# Allegro board 8880F5-0823_1_redwan.brd (continued)
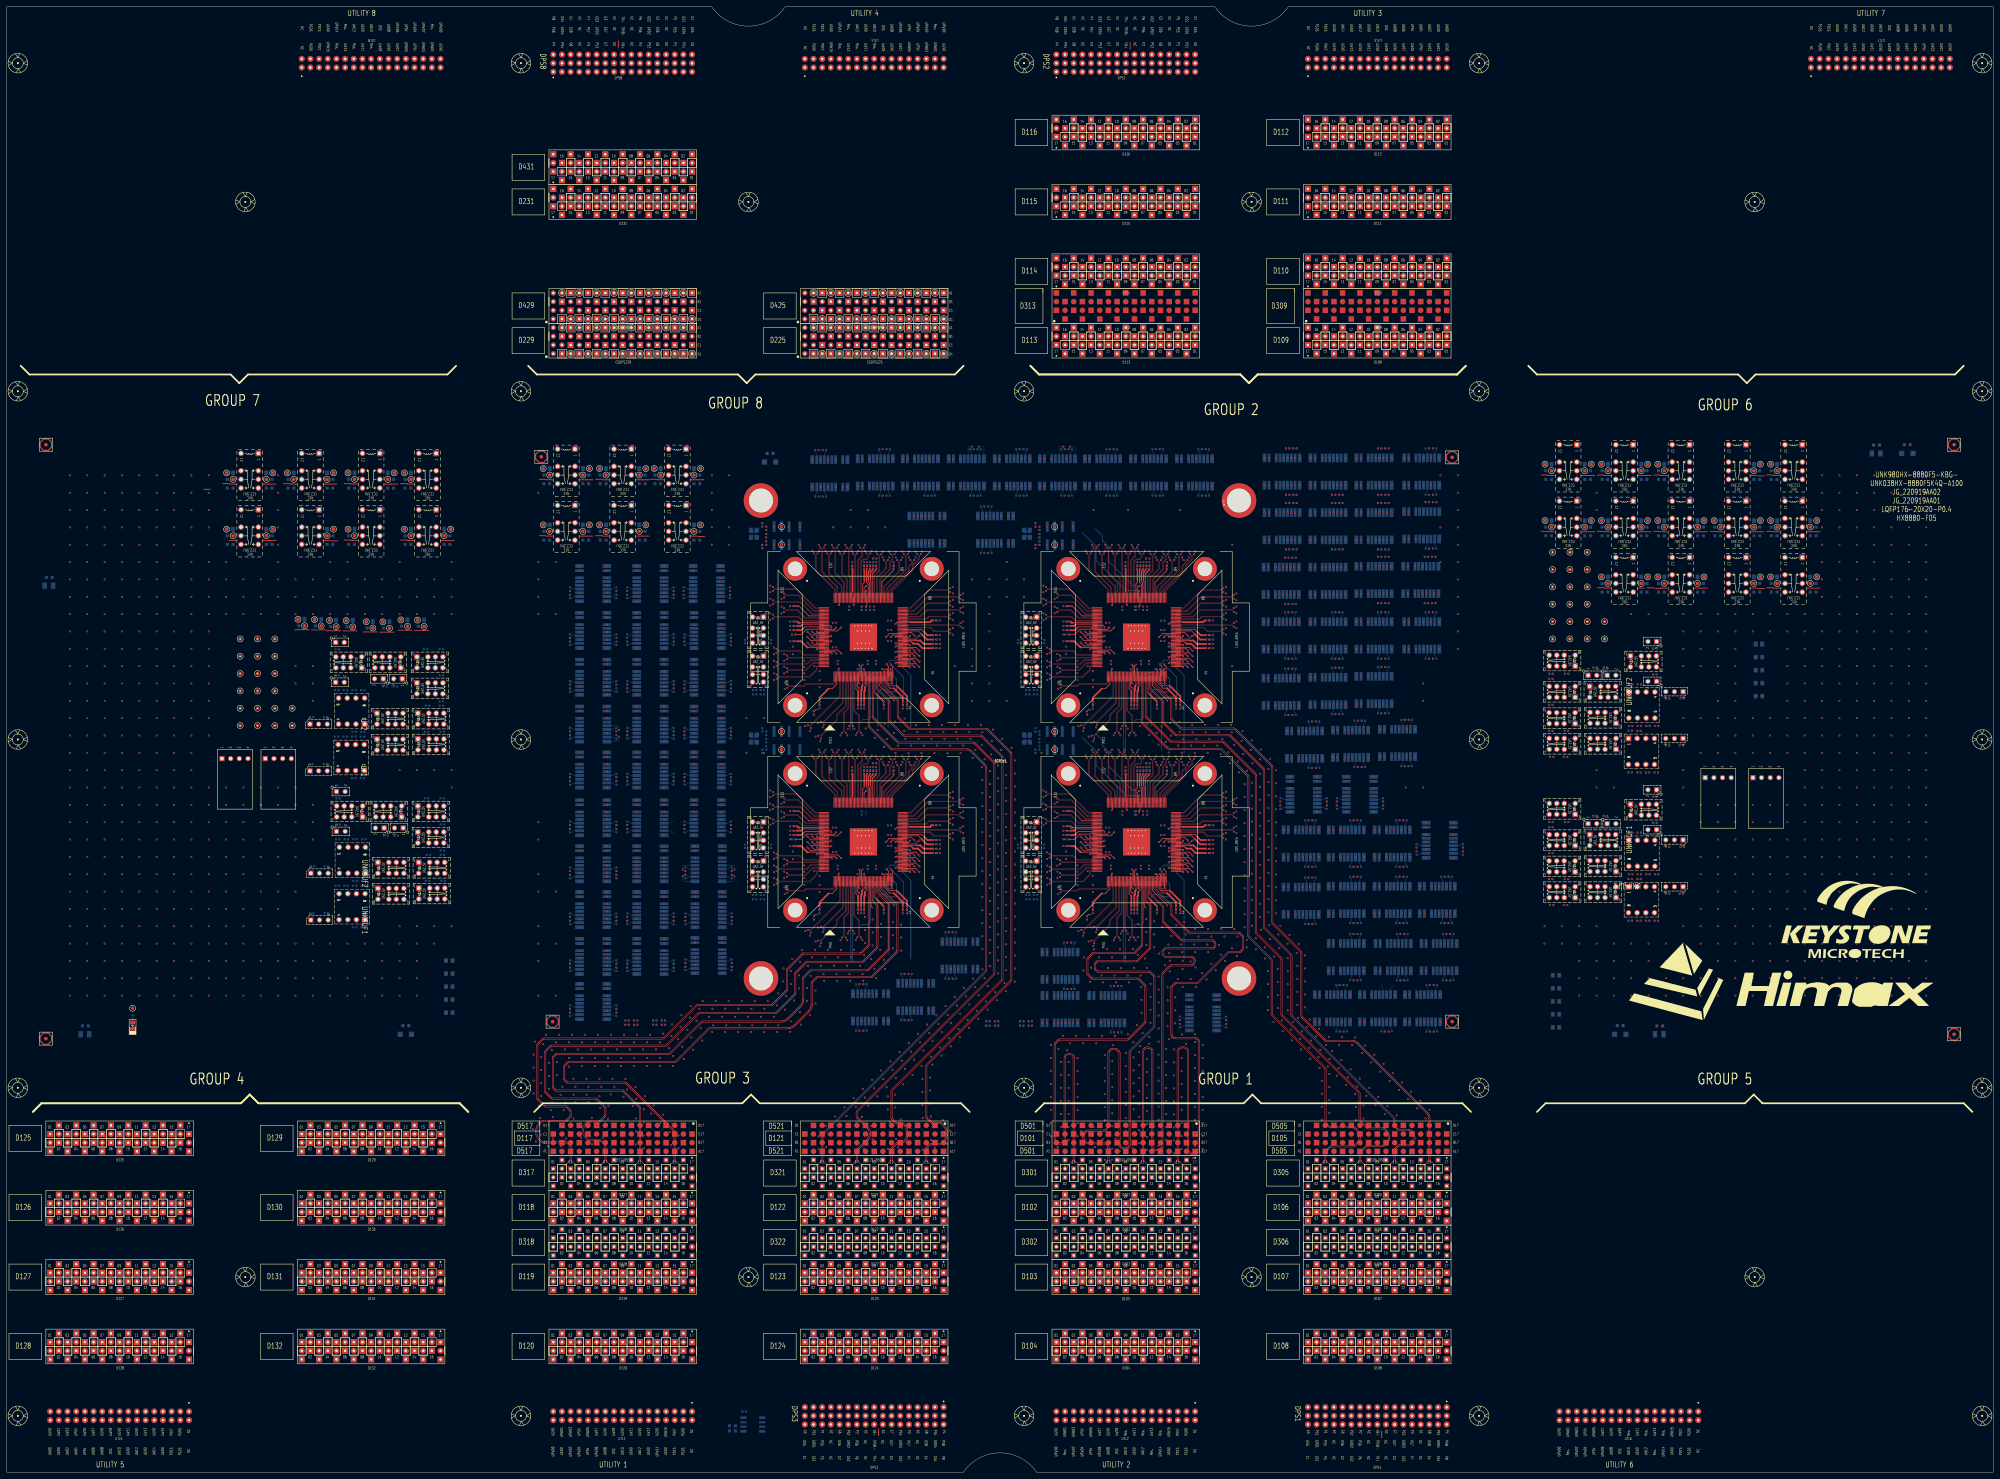
[diagram p0: board, top side]
## Placement (name value [footprint] x y rotation side) (continued)
R28  49.9-1-S4  [R0402]  338.09 299.66 180 bottom
R29  49.9-1-S4  [R0402]  335.94 286.07 180 bottom
R30  49.9-1-S4  [R0402]  338.09 286.07 180 bottom
R31  49.9-1-S4  [R0402]  322.48 299.66 180 bottom
R32  49.9-1-S4  [R0402]  324.62 299.66 180 bottom
R33  49.9-1-S4  [R0402]  322.48 286.07 180 bottom
R34  49.9-1-S4  [R0402]  324.62 286.07 180 bottom
R37  49.9-1-S4  [R0402]  269.14 286.07 180 bottom
R38  49.9-1-S4  [R0402]  271.28 286.07 180 bottom
R39  49.9-1-S4  [R0402]  287.88 269.3 0 bottom
R40  49.9-1-S4  [R0402]  285.74 269.3 0 bottom
R41  49.9-1-S4  [R0402]  287.88 282.89 0 bottom
R42  49.9-1-S4  [R0402]  285.74 282.89 0 bottom
R43  49.9-1-S4  [R0402]  164.91 258.67 90 bottom
R44  49.9-1-S4  [R0402]  164.91 256.53 90 bottom
R45  49.9-1-S4  [R0402]  198.44 244.96 90 bottom
R46  49.9-1-S4  [R0402]  198.44 242.81 90 bottom
R47  49.9-1-S4  [R0402]  195.26 231.24 90 bottom
R48  49.9-1-S4  [R0402]  195.26 229.1 90 bottom
R49  49.9-1-S4  [R0402]  181.67 231.24 90 bottom
R50  49.9-1-S4  [R0402]  181.67 229.1 90 bottom
R51  49.9-1-S4  [R0402]  178.5 231.24 90 bottom
R52  49.9-1-S4  [R0402]  178.5 229.1 90 bottom
R53  49.9-1-S4  [R0402]  164.91 231.24 90 bottom
R54  49.9-1-S4  [R0402]  164.91 229.1 90 bottom
R55  49.9-1-S4  [R0402]  211.77 258.67 90 bottom
R56  49.9-1-S4  [R0402]  211.77 256.53 90 bottom
R57  49.9-1-S4  [R0402]  198.18 258.67 90 bottom
R58  49.9-1-S4  [R0402]  198.18 256.53 90 bottom
R59  49.9-1-S4  [R0402]  195.26 244.96 90 bottom
R60  49.9-1-S4  [R0402]  195.26 242.81 90 bottom
R61  49.9-1-S4  [R0402]  181.67 244.96 90 bottom
R62  49.9-1-S4  [R0402]  181.67 242.81 90 bottom
R63  49.9-1-S4  [R0402]  195.26 258.67 90 bottom
R64  49.9-1-S4  [R0402]  195.26 256.53 90 bottom
R65  49.9-1-S4  [R0402]  164.91 244.96 90 bottom
R66  49.9-1-S4  [R0402]  164.91 242.81 90 bottom
R67  49.9-1-S4  [R0402]  239.37 285.81 0 bottom
R68  49.9-1-S4  [R0402]  237.22 285.81 0 bottom
R69  49.9-1-S4  [R0402]  239.37 299.4 0 bottom
R70  49.9-1-S4  [R0402]  237.22 299.4 0 bottom
R71  49.9-1-S4  [R0402]  255.93 299.66 180 bottom
R72  49.9-1-S4  [R0402]  258.08 299.66 180 bottom
R73  49.9-1-S4  [R0402]  255.93 286.07 180 bottom
R74  49.9-1-S4  [R0402]  258.08 286.07 180 bottom
R75  49.9-1-S4  [R0402]  282.6 299.66 180 bottom
R76  49.9-1-S4  [R0402]  284.75 299.66 180 bottom
R77  49.9-1-S4  [R0402]  282.6 286.07 180 bottom
R78  49.9-1-S4  [R0402]  284.75 286.07 180 bottom
R79  49.9-1-S4  [R0402]  178.5 258.67 90 bottom
R80  49.9-1-S4  [R0402]  178.5 256.53 90 bottom
R82  4.7K-1-S4-WA  [R0402]  122.62 241.1 180 bottom
R83  4.7K-1-S4-WA  [R0402]  96.77 233.43 180 bottom
R84  4.7K-1-S4-WA  [R0402]  96.77 241.05 180 bottom
R85  100K-1-S4  [R0402]  113.79 230.12 180 bottom
R86  4.7K-1-S4-WA  [R0402]  93.33 207.46 180 bottom
R87  4.7K-1-S4-WA  [R0402]  104.14 203.31 180 bottom
R88  4.7K-1-S4-WA  [R0402]  101.6 203.31 180 bottom
R89  4.7K-1-S4-WA  [R0402]  89.03 207.41 0 bottom
R90  4.7K-1-S4-WA  [R0402]  101.6 215.5 180 bottom
R91  4.7K-1-S4-WA  [R0402]  99.06 215.5 180 bottom
R92  4.7K-1-S4-WA  [R0402]  96.52 215.5 180 bottom
R93  4.7K-1-S4-WA  [R0402]  93.33 221.18 180 bottom
R94  4.7K-1-S4-WA  [R0402]  104.25 216.86 0 bottom
R95  4.7K-1-S4-WA  [R0402]  101.7 216.91 180 bottom
R96  4.7K-1-S4-WA  [R0402]  89.27 221.18 0 bottom
R97  4.7K-1-S4-WA  [R0402]  101.7 229.1 180 bottom
R98  4.7K-1-S4-WA  [R0402]  99.16 229.1 180 bottom
R99  4.7K-1-S4-WA  [R0402]  96.62 229.1 180 bottom
R100  49.9-1-S4  [R0402]  181.67 258.67 90 bottom
R101  49.9-1-S4  [R0402]  181.67 256.53 90 bottom
R102  49.9-1-S4  [R0402]  212.03 244.96 90 bottom
R103  49.9-1-S4  [R0402]  212.03 242.81 90 bottom
R104  49.9-1-S4  [R0402]  178.5 244.96 90 bottom
R105  49.9-1-S4  [R0402]  178.5 242.81 90 bottom
R117  1K-1-S4  [R0402]  127.2 241.1 180 bottom
R118  NC/0-5-S4  [R0402]  230.41 245.39 180 bottom
R119  4.7K-1-S4-WA  [R0402]  127.25 233.43 0 bottom
R120  4.7K-1-S4-WA  [R0402]  127.25 225.81 0 bottom
R125  0-5-S4  [R0402]  123.19 224.54 180 bottom
R126  0-5-S4  [R0402]  127.25 224.54 180 bottom
R127  0-5-S4  [R0402]  122.94 216.92 180 bottom
R128  0-5-S4  [R0402]  127.51 216.92 180 bottom
R129  0-5-S4  [R0402]  221.23 229.11 180 bottom
R130  0-5-S4  [R0402]  218.95 229.11 0 bottom
R131  50-0.1-S4-HF-VI  [R0402]  223.77 243.33 90 bottom
R132  50-0.1-S4-HF-VI  [R0402]  216.15 243.33 90 bottom
R133  0-5-S4  [R0402]  222.38 276.48 90 bottom
RB1  10K-1-S6  [R0603]  212.47 13.59 0 bottom
RB2  10K-1-S6  [R0603]  212.47 12.06 0 bottom
S1_I2C  HDR-4X1-MR-A  [JP_4P_100_R90_V1]  62.99 209.04 270 top
S1_RST_N  HDR-2X1-M  [JP_2P_100]  115.82 232.41 270 bottom
S2_I2C  HDR-4X1-MR-A  [JP_4P_100_R90_V1]  497.33 203.45 270 top
S2_RST_N  HDR-2X1-M  [JP_2P_100]  463.04 233.43 90 bottom
S3_I2C  HDR-4X1-MR-A  [JP_4P_100_R90_V1]  75.69 209.04 270 top
S3_RST_N  HDR-2X1-M  [JP_2P_100]  116.08 188.72 270 bottom
S4_I2C  HDR-4X1-MR-A  [JP_4P_100_R90_V1]  511.3 203.45 270 top
S4_RST_N  HDR-2X1-M  [JP_2P_100]  463.04 189.99 90 bottom
SB1  SHORT  [DEFAULT_SHORT_SMALL]  402.59 11.04 90 top
SB2  SHORT  [DEFAULT_SHORT_SMALL]  328.93 417.83 270 top
SB3  SHORT  [DEFAULT_SHORT_SMALL]  255.27 11.71 90 top
SB8  SHORT  [DEFAULT_SHORT_SMALL]  179.07 418.32 270 top
SCREW1  V93KMFHOLE  [PG_VG93K_F_FULLOUTLINE]  290.83 214.63 0 top
SH1  SHORT  [DEFAULT_SHORT_SMALL]  185.19 290.72 0 top
SH2  SHORT  [DEFAULT_SHORT_SMALL]  187.14 290.72 0 top
SH3  SHORT  [DEFAULT_SHORT_SMALL]  175.35 290.72 0 top
SH4  SHORT  [DEFAULT_SHORT_SMALL]  173.4 290.85 180 top
SH5  SHORT  [DEFAULT_SHORT_SMALL]  118.2 289.45 0 top
SH6  SHORT  [DEFAULT_SHORT_SMALL]  116.25 289.58 180 top
SH7  SHORT  [DEFAULT_SHORT_SMALL]  168.68 290.72 0 top
SH8  SHORT  [DEFAULT_SHORT_SMALL]  156.89 290.85 180 top
SH9  SHORT  [DEFAULT_SHORT_SMALL]  170.63 290.72 0 top
SH10  SHORT  [DEFAULT_SHORT_SMALL]  158.84 290.72 0 top
SH11  SHORT  [DEFAULT_SHORT_SMALL]  173.4 274.34 180 top
SH12  SHORT  [DEFAULT_SHORT_SMALL]  185.19 274.21 0 top
SH13  SHORT  [DEFAULT_SHORT_SMALL]  203.14 290.72 0 top
SH14  SHORT  [DEFAULT_SHORT_SMALL]  201.19 290.72 0 top
SH15  SHORT  [DEFAULT_SHORT_SMALL]  189.4 290.85 180 top
SH16  SHORT  [DEFAULT_SHORT_SMALL]  191.35 290.72 0 top
SH17  SHORT  [DEFAULT_SHORT_SMALL]  156.89 274.34 180 top
SH18  SHORT  [DEFAULT_SHORT_SMALL]  168.68 274.21 0 top
SH19  SHORT  [DEFAULT_SHORT_SMALL]  99.42 246.45 0 top
SH20  SHORT  [DEFAULT_SHORT_SMALL]  101.62 246.45 0 top
SH21  SHORT  [DEFAULT_SHORT_SMALL]  94.56 246.5 0 top
SH22  SHORT  [DEFAULT_SHORT_SMALL]  96.76 246.5 0 top
SH23  SHORT  [DEFAULT_SHORT_SMALL]  201.19 274.21 0 top
SH24  SHORT  [DEFAULT_SHORT_SMALL]  203.37 274.08 180 top
SH25  SHORT  [DEFAULT_SHORT_SMALL]  175.35 274.21 0 top
SH26  SHORT  [DEFAULT_SHORT_SMALL]  187.14 274.21 0 top
SH27  SHORT  [DEFAULT_SHORT_SMALL]  158.84 274.21 0 top
SH28  SHORT  [DEFAULT_SHORT_SMALL]  170.63 274.21 0 top
SITE1  CU/HX8880-F05-LQFP176-20X20  [SK_LQFP176P_0P4MM_JG_HX8880]  250.83 244.63 90 top
SITE2  CU/HX8880-F05-LQFP176-20X20  [SK_LQFP176P_0P4MM_JG_HX8880]  330.83 244.63 90 top
SITE3  CU/HX8880-F05-LQFP176-20X20  [SK_LQFP176P_0P4MM_JG_HX8880]  250.83 184.63 90 top
SITE4  CU/HX8880-F05-LQFP176-20X20  [SK_LQFP176P_0P4MM_JG_HX8880]  330.83 184.63 90 top
SKB  Socket_Base_M5_140x140  [SOCKET_BASE_140X140_565100]  290.83 214.63 0 top
TP_AUXVCC  TP01  [TP_040_T]  101.29 247.61 180 top
TP_AVDD11_RX  TP01  [TP_040_T]  158.96 292.1 180 top
TP_AVDD11_XTAL  TP01  [TP_040_T]  201.21 275.59 0 top
TP_AVDD18_RX  TP01  [TP_040_T]  168.7 292.1 0 top
TP_PLL_M_VDD33  TP01  [TP_040_T]  201.21 292.1 0 top
TP_PLL_TX_VDD33  TP01  [TP_040_T]  191.48 292.1 180 top
TP_VCC3V3  TP01  [TP_040_T]  96.42 247.66 180 top
TP_VDD_IO_33  TP01  [TP_040_T]  175.47 292.1 180 top
TP_VDD_TXREG_33_B  TP01  [TP_040_T]  168.7 275.59 0 top
TP_VDD_TXREG_33_T  TP01  [TP_040_T]  158.96 275.59 180 top
TP_VDDA_33_LV  TP01  [TP_040_T]  185.21 292.1 0 top
TP_VDDC_11  TP01  [TP_040_T]  118.32 290.83 180 top
TP_VDDTXPST_11_B  TP01  [TP_040_T]  185.21 275.59 0 top
TP_VDDTXPST_11_T  TP01  [TP_040_T]  175.47 275.59 180 top
TP_XTAL_IN  TP01  [TP_040_T]  226.85 271.67 0 top
TP_XTAL_OUT  TP01  [TP_040_T]  226.85 276.97 0 top
TPL1  TPL01  [TPL_040_014_TB]  73.41 239.01 0 top
TPL2  TPL01  [TPL_040_014_TB]  78.49 244.09 0 top
TPL3  TPL01  [TPL_040_014_TB]  68.33 228.85 0 top
TPL4  TPL01  [TPL_040_014_TB]  68.33 239.01 0 top
TPL5  TPL01  [TPL_040_014_TB]  73.41 244.09 0 top
TPL6  TPL01  [TPL_040_014_TB]  68.33 233.93 0 top
TPL7  TPL01  [TPL_040_014_TB]  78.49 233.93 0 top
TPL8  TPL01  [TPL_040_014_TB]  73.41 233.93 0 top
TPL9  TPL01  [TPL_040_014_TB]  68.33 244.09 0 top
TPL10  TPL01  [TPL_040_014_TB]  78.49 239.01 0 top
TPL11  TPL01  [TPL_040_014_TB]  73.41 218.69 0 top
TPL12  TPL01  [TPL_040_014_TB]  78.49 218.69 0 top
TPL13  TPL01  [TPL_040_014_TB]  83.57 223.77 0 top
TPL14  TPL01  [TPL_040_014_TB]  83.57 218.69 0 top
TPL15  TPL01  [TPL_040_014_TB]  73.41 228.85 0 top
TPL16  TPL01  [TPL_040_014_TB]  68.33 223.77 0 top
TPL17  TPL01  [TPL_040_014_TB]  68.33 218.69 0 top
TPL18  TPL01  [TPL_040_014_TB]  78.49 223.77 0 top
TPL19  TPL01  [TPL_040_014_TB]  73.41 223.77 0 top
TPL20  TPL01  [TPL_040_014_TB]  78.49 228.85 0 top
TPL21  TPL01  [TPL_040_014_TB]  452.63 249.17 0 top
TPL22  TPL01  [TPL_040_014_TB]  452.63 259.33 0 top
TPL23  TPL01  [TPL_040_014_TB]  452.63 264.41 0 top
TPL24  TPL01  [TPL_040_014_TB]  452.63 254.25 0 top
TPL25  TPL01  [TPL_040_014_TB]  452.63 244.09 0 top
TPL26  TPL01  [TPL_040_014_TB]  457.71 244.09 0 top
TPL27  TPL01  [TPL_040_014_TB]  452.63 269.49 0 top
TPL28  TPL01  [TPL_040_014_TB]  457.71 249.17 0 top
TPL29  TPL01  [TPL_040_014_TB]  457.71 269.49 0 top
TPL30  TPL01  [TPL_040_014_TB]  457.71 264.41 0 top
TPL31  TPL01  [TPL_040_014_TB]  457.71 259.33 0 top
TPL32  TPL01  [TPL_040_014_TB]  457.71 254.25 0 top
TPL33  TPL01  [TPL_040_014_TB]  462.79 244.09 0 top
TPL34  TPL01  [TPL_040_014_TB]  467.87 249.17 0 top
TPL35  TPL01  [TPL_040_014_TB]  467.87 244.09 0 top
TPL36  TPL01  [TPL_040_014_TB]  462.79 249.17 0 top
TPL37  TPL01  [TPL_040_014_TB]  462.79 269.49 0 top
TPL38  TPL01  [TPL_040_014_TB]  462.79 259.33 0 top
TPL39  TPL01  [TPL_040_014_TB]  462.79 254.25 0 top
TPL40  TPL01  [TPL_040_014_TB]  462.79 264.41 0 top
U1  SOLDER-DIP8-SOCKET  [DIP8_300X100_RLPIN]  104.66 205.54 90 bottom
U2  SOLDER-DIP8-SOCKET  [DIP8_300X100_RLPIN]  104.76 219.15 90 bottom
UB1  AT24C04C-SSHM-SO8  [SO8_215X127MM]  218.44 13.97 180 bottom
UF1  MX25L4006EM2I-12G-SOP8  [SOCKET_CODE]  104.66 205.54 270 top
UF2  MX25L4006EM2I-12G-SOP8  [SOCKET_CODE]  104.75 219.2 270 top
UNK2C3  0.1U-16-X-S4-MU  [C0402]  289.81 132.08 180 bottom
UNK2C4  0.1U-16-X-S4-MU  [C0402]  287.27 132.08 180 bottom
UNK2C5  22P-50-N-S4-AVX  [C0402]  301.21 277.48 90 bottom
UNK2C6  22P-50-N-S4-AVX  [C0402]  301.21 271.16 270 bottom
UNK2C7  0.1U-16-X-S4-MU  [C0402]  468.12 235.71 180 bottom
UNK2C8  0.1U-16-X-S4-MU  [C0402]  475.39 204.98 0 bottom
UNK2C9  0.1U-16-X-S4-MU  [C0402]  475.49 218.59 0 bottom
UNK2CA1  NC/10U-10-X6S-S6-MU  [C0603]  462.91 293.37 0 bottom
UNK2CA2  NC/47U-10-X5R-S8-TDK  [C0805]  463.02 295.27 0 bottom
UNK2CA3  NC/10U-10-X6S-S6-MU  [C0603]  451.49 293.37 180 bottom
UNK2CA4  NC/47U-10-X5R-S8-TDK  [C0805]  451.38 295.27 180 bottom
UNK2CA5  NC/10U-10-X6S-S6-MU  [C0603]  484.5 293.37 180 bottom
UNK2CA6  NC/47U-10-X5R-S8-TDK  [C0805]  484.4 295.27 180 bottom
UNK2CA7  NC/10U-10-X6S-S6-MU  [C0603]  462.91 276.86 0 bottom
UNK2CA8  NC/47U-10-X5R-S8-TDK  [C0805]  463.02 278.76 0 bottom
UNK2CA9  NC/10U-10-X6S-S6-MU  [C0603]  451.49 276.86 180 bottom
UNK2CA10  NC/47U-10-X5R-S8-TDK  [C0805]  451.38 278.76 180 bottom
UNK2CA11  NC/10U-10-X6S-S6-MU  [C0603]  495.93 276.86 0 bottom
UNK2CA12  NC/47U-10-X5R-S8-TDK  [C0805]  496.04 278.76 0 bottom
UNK2CA13  NC/47U-10-X5R-S8-TDK  [C0805]  479.53 295.27 0 bottom
UNK2CA14  NC/10U-10-X6S-S6-MU  [C0603]  479.42 293.37 0 bottom
UNK2CA15  NC/47U-10-X5R-S8-TDK  [C0805]  467.89 295.27 180 bottom
UNK2CA16  NC/10U-10-X6S-S6-MU  [C0603]  468 293.37 180 bottom
UNK2CA17  NC/47U-10-X5R-S8-TDK  [C0805]  479.53 278.76 0 bottom
UNK2CA18  NC/10U-10-X6S-S6-MU  [C0603]  479.42 276.86 0 bottom
UNK2CA19  NC/47U-10-X5R-S8-TDK  [C0805]  91.09 249.81 180 bottom
UNK2CA20  NC/10U-10-X6S-S6-MU  [C0603]  91.19 247.9 180 bottom
UNK2CA21  10U-10-X6S-S6-MU  [C0603]  462.91 290.83 0 bottom
UNK2CA22  10U-10-X6S-S6-MU  [C0603]  451.49 290.83 180 bottom
UNK2CA23  10U-10-X6S-S6-MU  [C0603]  484.5 290.83 180 bottom
UNK2CA24  10U-10-X6S-S6-MU  [C0603]  462.91 274.32 0 bottom
UNK2CA25  10U-10-X6S-S6-MU  [C0603]  451.49 274.32 180 bottom
UNK2CA26  10U-10-X6S-S6-MU  [C0603]  495.93 274.32 0 bottom
UNK2CA27  10U-10-X6S-S6-MU  [C0603]  479.42 290.83 0 bottom
UNK2CA28  10U-10-X6S-S6-MU  [C0603]  468 290.83 180 bottom
UNK2CA29  10U-10-X6S-S6-MU  [C0603]  479.42 274.32 0 bottom
UNK2CA30  NC/47U-10-X5R-S8-TDK  [C0805]  86.22 249.86 180 bottom
UNK2CA31  10U-10-X6S-S6-MU  [C0603]  86.32 247.96 180 bottom
UNK2CA32  NC/10U-10-X6S-S6-MU  [C0603]  512.44 293.37 0 bottom
UNK2CA33  NC/47U-10-X5R-S8-TDK  [C0805]  512.55 295.27 0 bottom
UNK2CA34  10U-10-X6S-S6-MU  [C0603]  512.44 290.83 0 bottom
UNK2CA35  NC/10U-10-X6S-S6-MU  [C0603]  484.5 276.86 180 bottom
UNK2CA36  NC/47U-10-X5R-S8-TDK  [C0805]  484.4 278.76 180 bottom
UNK2CA37  10U-10-X6S-S6-MU  [C0603]  484.5 274.32 180 bottom
UNK2CA38  NC/10U-10-X6S-S6-MU  [C0603]  468 276.86 180 bottom
UNK2CA39  NC/47U-10-X5R-S8-TDK  [C0805]  467.89 278.76 180 bottom
UNK2CA40  10U-10-X6S-S6-MU  [C0603]  468 274.32 180 bottom
UNK2CC1  0.47U-10-X6S-S2-TY  [C0201]  317.98 224.12 90 bottom
UNK2CC2  4.7U-10-X6T-S4-MU  [C0402]  316.32 222.4 270 bottom
UNK2CC4  0.47U-10-X6S-S2-TY  [C0201]  309.81 247.93 0 bottom
UNK2CC6  0.47U-10-X6S-S2-TY  [C0201]  330.17 224.12 90 bottom
UNK2CC7  0.47U-10-X6S-S2-TY  [C0201]  309.81 246.66 0 bottom
UNK2CC8  0.47U-10-X6S-S2-TY  [C0201]  343.63 224.12 90 bottom
UNK2CC9  0.47U-10-X6S-S2-TY  [C0201]  334.61 266.16 270 bottom
UNK2CC11  0.47U-10-X6S-S2-TY  [C0201]  331.06 224.12 90 bottom
UNK2CC13  0.47U-10-X6S-S2-TY  [C0201]  336.77 224.12 90 bottom
UNK2CC15  4.7U-2.5-X6S-S2-MU  [C0201]  339.65 264.95 90 bottom
UNK2CC16  NC/4.7U-2.5-X6S-S2-MU  [C0201]  351.64 249.5 0 bottom
UNK2CC17  4.7U-2.5-X6S-S2-MU  [C0201]  309.81 253.69 0 bottom
UNK2CC19  0.47U-10-X6S-S2-TY  [C0201]  332.83 266.16 270 bottom
UNK2CC20  4.7U-10-X6T-S4-MU  [C0402]  334.11 267.66 0 bottom
UNK2CC22  0.47U-10-X6S-S2-TY  [C0201]  331.05 266.16 270 bottom
UNK2CC23  4.7U-10-X6T-S4-MU  [C0402]  330.34 253.09 270 bottom
UNK2CC25  0.47U-10-X6S-S2-TY  [C0201]  352.85 245.18 180 bottom
UNK2CC26  0.47U-10-X6S-S2-TY  [C0201]  333.72 266.16 270 bottom
UNK2CC27  0.47U-10-X6S-S2-TY  [C0201]  352.85 249.5 180 bottom
UNK2CC28  0.47U-10-X6S-S2-TY  [C0201]  339.65 266.16 270 bottom
UNK2CC29  0.47U-10-X6S-S2-TY  [C0201]  311.03 253.69 180 bottom
UNK2CC30  0.47U-10-X6S-S2-TY  [C0201]  309.81 243.41 0 bottom
UNK2CC31  0.47U-10-X6S-S2-TY  [C0201]  329.28 224.12 90 bottom
UNK2CC32  0.47U-10-X6S-S2-TY  [C0201]  342.36 224.12 90 bottom
UNK2CC33  0.47U-10-X6S-S2-TY  [C0201]  352.85 243.91 180 bottom
UNK2CC34  0.47U-10-X6S-S2-TY  [C0201]  331.94 266.16 270 bottom
UNK2CC35  0.47U-10-X6S-S2-TY  [C0201]  352.85 241.37 180 bottom
UNK2CC36  0.47U-10-X6S-S2-TY  [C0201]  352.85 242.64 180 bottom
UNK2CC37  0.47U-10-X6S-S2-TY  [C0201]  327.57 264.95 90 bottom
UNK2CC38  NC/4.7U-2.5-X6S-S2-MU  [C0201]  327.57 266.16 270 bottom
UNK2CC39  0.47U-10-X6S-S2-TY  [C0201]  311.03 249.2 180 bottom
UNK2CC40  4.7U-2.5-X6S-S2-MU  [C0201]  338.5 246.67 180 bottom
UNK2CC41  4.7U-2.5-X6S-S2-MU  [C0201]  309.81 249.2 0 bottom
UNK2CC42  4.7U-2.5-X6S-S2-MU  [C0201]  331.54 253.03 90 bottom
UNK2CD1  0.1U-10-X7R-S2-MU  [C0201]  317.98 225.34 270 top
UNK2CD3  0.1U-10-X7R-S2-MU  [C0201]  351.64 241.37 0 top
UNK2CD4  0.1U-10-X7R-S2-MU  [C0201]  334.61 264.95 90 top
UNK2CD5  0.1U-10-X7R-S2-MU  [C0201]  343.63 225.34 270 top
UNK2CD6  0.1U-10-X7R-S2-MU  [C0201]  311.03 246.66 180 top
UNK2CD7  0.1U-10-X7R-S2-MU  [C0201]  351.64 242.64 0 top
UNK2CD8  0.1U-10-X7R-S2-MU  [C0201]  331.06 225.34 270 top
UNK2CD9  0.1U-10-X7R-S2-MU  [C0201]  336.77 225.34 270 top
UNK2CD10  0.1U-10-X7R-S2-MU  [C0201]  351.64 249.5 0 top
UNK2CD11  0.1U-10-X7R-S2-MU  [C0201]  339.65 264.95 90 top
UNK2CD12  0.1U-10-X7R-S2-MU  [C0201]  311.03 253.69 180 top
UNK2CD13  0.1U-10-X7R-S2-MU  [C0201]  332.83 264.95 90 top
UNK2CD14  0.1U-10-X7R-S2-MU  [C0201]  331.05 264.95 90 top
UNK2CD15  0.1U-10-X7R-S2-MU  [C0201]  351.64 245.18 0 top
UNK2CD16  0.1U-10-X7R-S2-MU  [C0201]  333.72 264.95 90 top
UNK2CD17  0.1U-10-X7R-S2-MU  [C0201]  311.03 247.93 180 top
UNK2CD18  0.1U-10-X7R-S2-MU  [C0201]  331.94 264.95 90 top
UNK2CD19  0.1U-10-X7R-S2-MU  [C0201]  311.03 243.41 180 top
UNK2CD20  0.1U-10-X7R-S2-MU  [C0201]  351.64 243.91 0 top
UNK2CD21  0.1U-10-X7R-S2-MU  [C0201]  342.36 225.34 270 top
UNK2CD22  0.1U-10-X7R-S2-MU  [C0201]  329.28 225.34 270 top
UNK2CD23  0.1U-10-X7R-S2-MU  [C0201]  330.17 225.34 270 top
UNK2CD24  0.1U-10-X7R-S2-MU  [C0201]  327.57 264.95 90 top
UNK2CD25  0.1U-10-X7R-S2-MU  [C0201]  311.03 249.2 180 top
UNK2GND1  TP01  [TP_040_T]  450.43 295.27 0 top
UNK2GND2  TP01  [TP_040_T]  463.97 295.27 180 top
UNK2GND3  TP01  [TP_040_T]  483.45 295.27 0 top
UNK2GND4  TP01  [TP_040_T]  450.43 278.76 0 top
UNK2GND5  TP01  [TP_040_T]  463.97 278.76 180 top
UNK2GND6  TP01  [TP_040_T]  483.45 278.76 0 top
UNK2GND7  TP01  [TP_040_T]  480.48 295.27 180 top
UNK2GND8  TP01  [TP_040_T]  466.94 295.27 0 top
UNK2GND9  TP01  [TP_040_T]  480.48 278.76 180 top
UNK2GND10  TP01  [TP_040_T]  90.11 249.76 0 top
UNK2GND11  TP01  [TP_040_T]  85.24 249.81 0 top
UNK2GND12  TP01  [TP_040_T]  513.5 295.27 180 top
UNK2GND13  TP01  [TP_040_T]  496.99 278.76 180 top
UNK2GND14  TP01  [TP_040_T]  466.94 278.76 0 top
UNK2J1  HDR-2X1-M  [JP_2P_100]  468.63 233.43 90 bottom
UNK2J2  HDR-3X1-M  [JP_3P_100]  490.87 228.66 270 bottom
UNK2J3  HDR-3X1-M  [JP_3P_100]  490.87 214.94 270 bottom
UNK2J4  HDR-2X1-M  [JP_2P_100]  483.11 243.33 270 bottom
UNK2J5  HDR-2X1-M  [JP_2P_100]  483.11 231.65 270 bottom
UNK2K1  G6K-2F-RF-T-5V-SPECIAL  [RL_G6K2FRT_8P_5V_GR]  414.27 293.12 0 bottom
UNK2K2  G6K-2F-RF-T-5V-SPECIAL  [RL_G6K2FRT_8P_5V_GR]  414.27 277.37 0 bottom
UNK2K3  G6K-2F-RF-T-5V-SPECIAL  [RL_G6K2FRT_8P_5V_GR]  400.3 245.11 0 bottom
UNK2K4  G6K-2F-RF-T-5V-SPECIAL  [RL_G6K2FRT_8P_5V_GR]  373.38 277.11 0 bottom
UNK2K5  G6K-2F-RF-T-5V-SPECIAL  [RL_G6K2FRT_8P_5V_GR]  400.3 261.37 0 bottom
UNK2K6  G6K-2F-RF-T-5V-SPECIAL  [RL_G6K2FRT_8P_5V_GR]  400.3 277.11 0 bottom
UNK2K7  G6K-2F-RF-T-5V-SPECIAL  [RL_G6K2FRT_8P_5V_GR]  386.84 277.11 0 bottom
UNK2K8  G6K-2F-RF-T-5V-SPECIAL  [RL_G6K2FRT_8P_5V_GR]  386.84 293.12 0 bottom
UNK2K9  UA2-5NJ-A-V3  [RL_NECUA2_5V_V3]  299.96 235.46 90 bottom
UNK2K10  UA2-5NJ-A-V3  [RL_NECUA2_5V_V3]  467.11 228.6 180 bottom
UNK2K11  G6K-2F-RF-T-5V-SPECIAL  [RL_G6K2FRT_8P_5V_GR]  414.02 261.37 0 bottom
UNK2K12  UA2-5NJ-A-V3  [RL_NECUA2_5V_V3]  299.96 246.89 90 bottom
UNK2K13  UA2-5NJ-A-V3  [RL_NECUA2_5V_V3]  455.68 228.6 0 bottom
UNK2K14  UA2-5NJ-A-V3  [RL_NECUA2_5V_V3]  467.61 213.36 0 bottom
UNK2K15  UA2-5NJ-A-V3  [RL_NECUA2_5V_V3]  455.64 220.9 0 bottom
UNK2K16  G6K-2F-RF-T-5V-SPECIAL  [RL_G6K2FRT_8P_5V_GR]  373.13 261.11 0 bottom
UNK2K17  G6K-2F-RF-T-5V-SPECIAL  [RL_G6K2FRT_8P_5V_GR]  373.38 293.12 0 bottom
UNK2K18  UB2-5NU-B  [RL_NECUB2_5V]  308.45 274.32 0 bottom
UNK2K19  UA2-5NJ-A-V3  [RL_NECUA2_5V_V3]  467.61 220.98 0 bottom
UNK2K20  UA2-5NJ-A-V3  [RL_NECUA2_5V_V3]  455.68 213.36 0 bottom
UNK2K21  G6K-2F-RF-T-5V-SPECIAL  [RL_G6K2FRT_8P_5V_GR]  400.3 293.12 0 bottom
UNK2K22  G6K-2F-RF-T-5V-SPECIAL  [RL_G6K2FRT_8P_5V_GR]  373.13 228.6 0 bottom
UNK2K23  G6K-2F-RF-T-5V-SPECIAL  [RL_G6K2FRT_8P_5V_GR]  386.84 228.85 0 bottom
UNK2K24  G6K-2F-RF-T-5V-SPECIAL  [RL_G6K2FRT_8P_5V_GR]  386.84 245.11 0 bottom
UNK2K25  G6K-2F-RF-T-5V-SPECIAL  [RL_G6K2FRT_8P_5V_GR]  400.3 229.11 0 bottom
UNK2K26  G6K-2F-RF-T-5V-SPECIAL  [RL_G6K2FRT_8P_5V_GR]  393.45 213.36 0 bottom
UNK2K27  G6K-2F-RF-T-5V-SPECIAL  [RL_G6K2FRT_8P_5V_GR]  379.98 213.11 0 bottom
UNK2K28  UA2-5NJ-A-V3  [RL_NECUA2_5V_V3]  479.04 237.49 180 bottom
UNK2K29  G6K-2F-RF-T-5V-SPECIAL  [RL_G6K2FRT_8P_5V_GR]  373.13 245.11 0 bottom
UNK2K30  G6K-2F-RF-T-5V-SPECIAL  [RL_G6K2FRT_8P_5V_GR]  414.27 245.11 0 bottom
UNK2K31  EC2-5NJ-A  [RL_NECEC2_10P_5V]  506.73 294.64 90 bottom
UNK2K33  NC/UA2-5NJ-A-V3  [RL_NECUA2_5V_V3]  455.68 237.74 0 bottom
UNK2K34  EC2-5NJ-A  [RL_NECEC2_10P_5V]  457.2 294.64 90 bottom
UNK2K36  EC2-5NJ-A  [RL_NECEC2_10P_5V]  490.22 294.64 90 bottom
UNK2K37  EC2-5NJ-A  [RL_NECEC2_10P_5V]  457.2 278.13 90 bottom
UNK2K39  EC2-5NJ-A  [RL_NECEC2_10P_5V]  490.22 278.13 90 bottom
UNK2K40  EC2-5NJ-A  [RL_NECEC2_10P_5V]  473.71 294.64 90 bottom
UNK2K42  EC2-5NJ-A  [RL_NECEC2_10P_5V]  473.71 278.13 90 bottom
UNK2K43  G6K-2F-RF-T-5V-SPECIAL  [RL_G6K2FRT_8P_5V_GR]  386.84 261.11 0 bottom
UNK2R1  NC/1M-1-S4  [R0402]  301.23 227.84 180 bottom
UNK2R2  NC/1M-1-S4  [R0402]  298.95 227.84 0 bottom
UNK2R3  NC/100K-1-S4  [R0402]  289.81 130.81 180 bottom
UNK2R4  NC/100K-1-S4  [R0402]  287.27 130.81 180 bottom
UNK2R5  0-5-S4  [R0402]  302.38 272.16 270 bottom
UNK2R6  1M-1-S4  [R0402]  302.38 274.32 270 bottom
UNK2R7  49.9-1-S4  [R0402]  415.95 299.91 180 bottom
UNK2R8  49.9-1-S4  [R0402]  418.1 299.91 180 bottom
UNK2R9  49.9-1-S4  [R0402]  415.95 286.32 180 bottom
UNK2R10  49.9-1-S4  [R0402]  418.1 286.32 180 bottom
UNK2R11  49.9-1-S4  [R0402]  415.95 284.16 180 bottom
UNK2R12  49.9-1-S4  [R0402]  418.1 284.16 180 bottom
UNK2R13  49.9-1-S4  [R0402]  415.95 270.57 180 bottom
UNK2R14  49.9-1-S4  [R0402]  418.1 270.57 180 bottom
UNK2R15  49.9-1-S4  [R0402]  401.98 251.9 180 bottom
UNK2R16  49.9-1-S4  [R0402]  404.13 251.9 180 bottom
UNK2R17  49.9-1-S4  [R0402]  401.98 238.32 180 bottom
UNK2R18  49.9-1-S4  [R0402]  404.13 238.32 180 bottom
UNK2R19  49.9-1-S4  [R0402]  375.06 283.91 180 bottom
UNK2R20  49.9-1-S4  [R0402]  377.2 283.91 180 bottom
UNK2R21  49.9-1-S4  [R0402]  375.06 270.32 180 bottom
UNK2R22  49.9-1-S4  [R0402]  377.2 270.32 180 bottom
UNK2R23  49.9-1-S4  [R0402]  401.98 268.16 180 bottom
UNK2R24  49.9-1-S4  [R0402]  404.13 268.16 180 bottom
UNK2R25  49.9-1-S4  [R0402]  401.98 254.57 180 bottom
UNK2R26  49.9-1-S4  [R0402]  404.13 254.57 180 bottom
UNK2R27  49.9-1-S4  [R0402]  401.98 283.91 180 bottom
UNK2R28  49.9-1-S4  [R0402]  404.13 283.91 180 bottom
UNK2R29  49.9-1-S4  [R0402]  401.98 270.32 180 bottom
UNK2R30  49.9-1-S4  [R0402]  404.13 270.32 180 bottom
UNK2R31  49.9-1-S4  [R0402]  388.52 283.91 180 bottom
UNK2R32  49.9-1-S4  [R0402]  390.66 283.91 180 bottom
UNK2R33  49.9-1-S4  [R0402]  388.52 270.32 180 bottom
UNK2R34  49.9-1-S4  [R0402]  390.66 270.32 180 bottom
UNK2R37  49.9-1-S4  [R0402]  388.52 286.32 180 bottom
UNK2R38  49.9-1-S4  [R0402]  390.66 286.32 180 bottom
UNK2R39  49.9-1-S4  [R0402]  415.7 268.16 180 bottom
UNK2R40  49.9-1-S4  [R0402]  417.84 268.16 180 bottom
UNK2R41  49.9-1-S4  [R0402]  415.7 254.57 180 bottom
UNK2R42  49.9-1-S4  [R0402]  417.84 254.57 180 bottom
UNK2R43  49.9-1-S4  [R0402]  374.8 238.32 180 bottom
UNK2R44  49.9-1-S4  [R0402]  376.95 238.32 180 bottom
UNK2R45  49.9-1-S4  [R0402]  374.8 221.81 180 bottom
UNK2R46  49.9-1-S4  [R0402]  376.95 221.81 180 bottom
UNK2R47  49.9-1-S4  [R0402]  388.52 235.65 180 bottom
UNK2R48  49.9-1-S4  [R0402]  390.66 235.65 180 bottom
UNK2R49  49.9-1-S4  [R0402]  388.52 222.06 180 bottom
UNK2R50  49.9-1-S4  [R0402]  390.66 222.06 180 bottom
UNK2R51  49.9-1-S4  [R0402]  388.52 251.9 180 bottom
UNK2R52  49.9-1-S4  [R0402]  390.66 251.9 180 bottom
UNK2R53  49.9-1-S4  [R0402]  388.52 238.32 180 bottom
UNK2R54  49.9-1-S4  [R0402]  390.66 238.32 180 bottom
UNK2R55  49.9-1-S4  [R0402]  401.98 235.9 180 bottom
UNK2R56  49.9-1-S4  [R0402]  404.13 235.9 180 bottom
UNK2R57  49.9-1-S4  [R0402]  401.98 222.31 180 bottom
UNK2R58  49.9-1-S4  [R0402]  404.13 222.31 180 bottom
UNK2R59  49.9-1-S4  [R0402]  395.12 220.15 180 bottom
UNK2R60  49.9-1-S4  [R0402]  397.27 220.15 180 bottom
UNK2R61  49.9-1-S4  [R0402]  395.12 206.57 180 bottom
UNK2R62  49.9-1-S4  [R0402]  397.27 206.57 180 bottom
UNK2R63  49.9-1-S4  [R0402]  415.95 251.9 180 bottom
UNK2R64  49.9-1-S4  [R0402]  418.1 251.9 180 bottom
UNK2R65  49.9-1-S4  [R0402]  381.66 206.31 180 bottom
UNK2R66  49.9-1-S4  [R0402]  383.81 206.31 180 bottom
UNK2R67  49.9-1-S4  [R0402]  374.8 267.91 180 bottom
UNK2R68  49.9-1-S4  [R0402]  376.95 267.91 180 bottom
UNK2R69  49.9-1-S4  [R0402]  374.8 254.32 180 bottom
UNK2R70  49.9-1-S4  [R0402]  376.95 254.32 180 bottom
UNK2R71  49.9-1-S4  [R0402]  375.06 299.91 180 bottom
UNK2R72  49.9-1-S4  [R0402]  377.2 299.91 180 bottom
UNK2R73  49.9-1-S4  [R0402]  375.06 286.32 180 bottom
UNK2R74  49.9-1-S4  [R0402]  377.2 286.32 180 bottom
UNK2R75  49.9-1-S4  [R0402]  401.98 299.91 180 bottom
UNK2R76  49.9-1-S4  [R0402]  404.13 299.91 180 bottom
UNK2R77  49.9-1-S4  [R0402]  401.98 286.32 180 bottom
UNK2R78  49.9-1-S4  [R0402]  404.13 286.32 180 bottom
UNK2R79  49.9-1-S4  [R0402]  374.8 251.9 180 bottom
UNK2R80  49.9-1-S4  [R0402]  376.95 251.9 180 bottom
UNK2R82  4.7K-1-S4-WA  [R0402]  456.75 233.88 0 bottom
